# Altium PCB Sheet1.PcbDoc (continued)
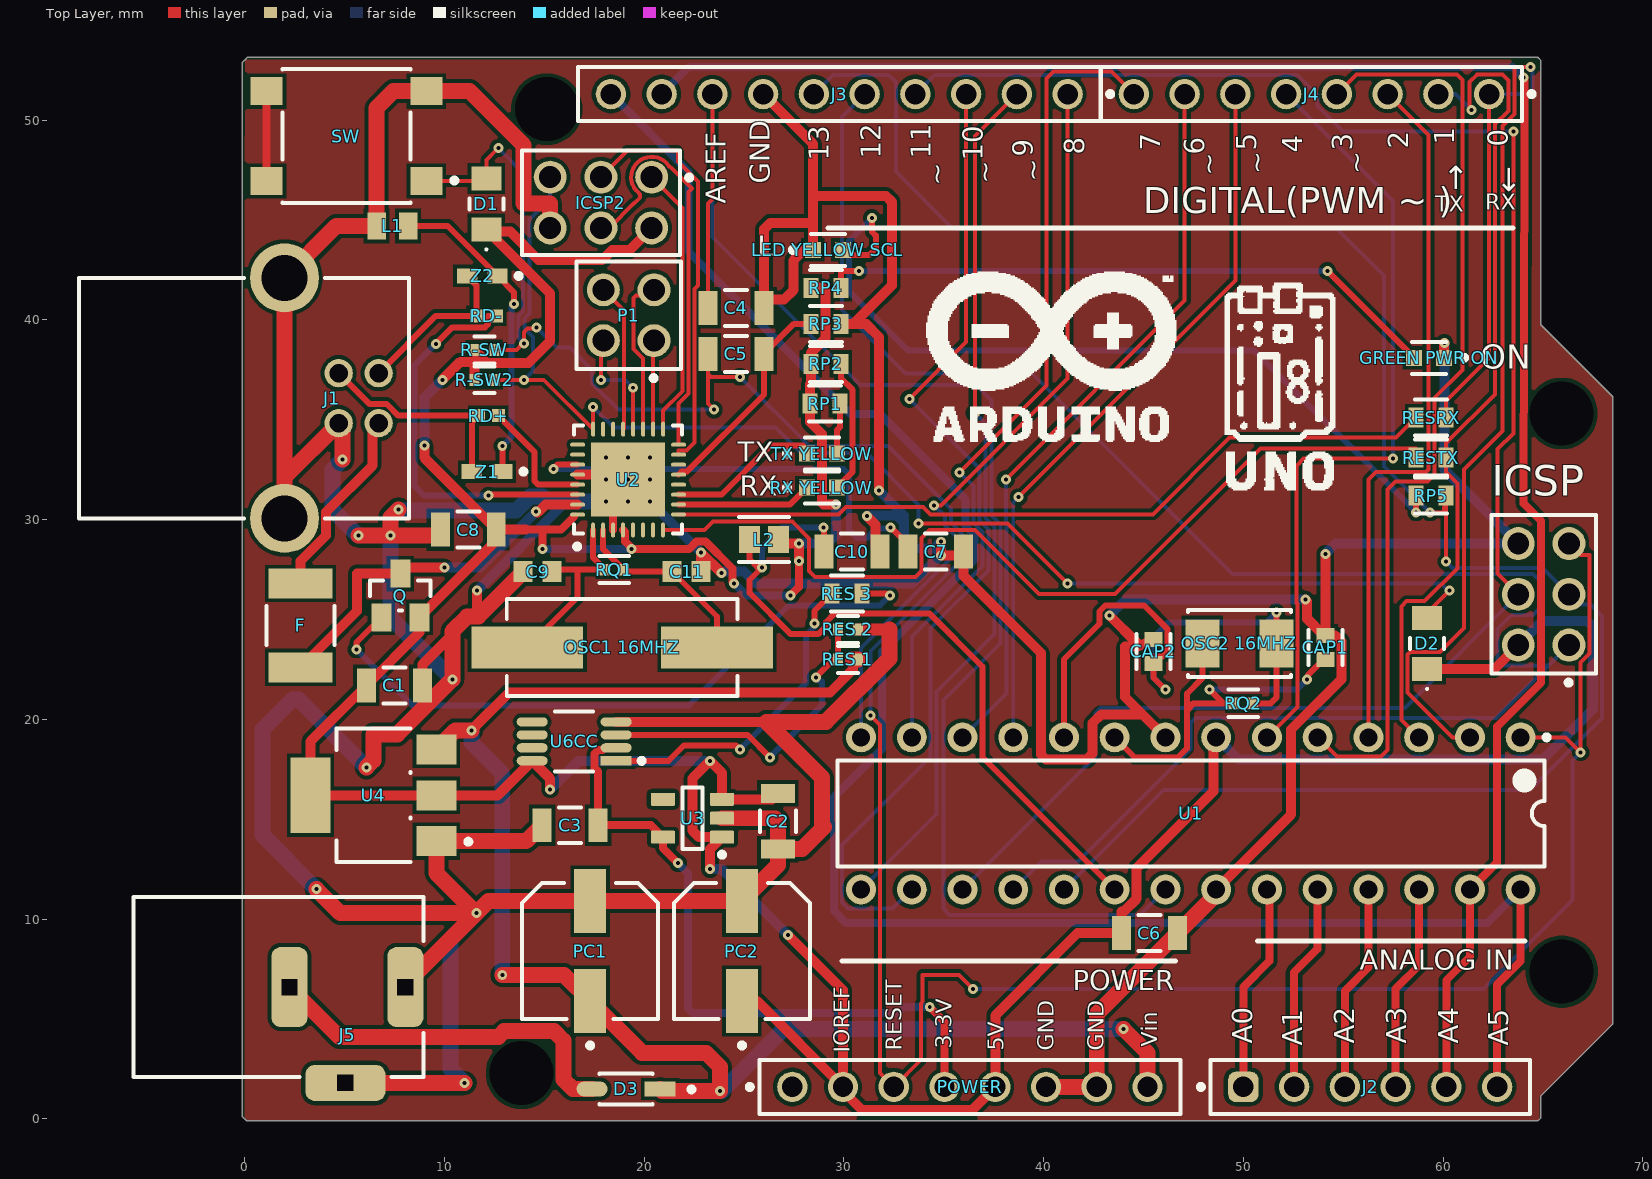
[diagram p0: Top Layer view]
## Part data
C1 C2 C3 C4 C5 C6 C7 C8 C10: library part CMP-1037-04222-2, "CAP CER 0.1UF 200V 10% X7R 1206", Capacitance="0.10 μF", Manufacturer=KEMET, Package=C1206C-EB, Temperature="-55°C to +150°C", Temperature Characteristic=X7R, Temperature Coefficient=15%, Temperature Range High=+150°C, Temperature Range Low=-55°C, Tolerance=0.1, Voltage Rating="200 V", Automotive=Yes, Automotive Grade="Grade 0", Category=Cap, ComponentLink2Description=Datasheet, ComponentLink2URL=https://content.kemet.com/datasheets/KEM_C1007_X8R_ULTRA_150C_SMD.pdf, Device Class L1="Passive Components", Device Class L2=Capacitors, Device Class L3="Ceramic Capacitors", Digikey Description="CAP CER 0.1UF 200V 10% X7R 1206", Height=0.88mm, Ipc Land Pattern Name=CAPC320160X78, Lead Free=Yes, Manufacturer Part Number=C1206C104K2RACTU, Material=Ceramic, Mouser Description="Multilayer Ceramic Capacitors MLCC - SMD/SMT 200volts 0.1uF X7R 10%", Octopart=https://octopart.com/c1206c104k2ractu-kemet-9138344, RoHS=TRUE
C9 C11: library part CMP-2000-04945-1, "Chip Capacitor, 22 pF, +/- 5%, 50 V, -55 to 125 degC, 0603 (1608 Metric), RoHS, Tape and Reel", Capacitance=22pF, Case Size/Dimension=0603, Dielectric=C0G, Manufacturer=Murata, Package Description="2-Pin Surface Mount Device, Body 1.6 x 0.8 mm", Package Reference=603, Rated Voltage=50V, Tolerance (%)=±5%, Datasheet URL=https://datasheet.ciiva.com/11786/0900766b807a1cab-11786398.pdf, Datasheet Version=Jul-06, Manufacturer URL=http://www.murata.com/
CAP1 CAP2: library part CMP-2006-03703-3, "Ceramic Capacitor 12Pf 50V, C0G, 5%, 0603, Full Reel", Capacitance="12 pF", Manufacturer=KEMET, Package=C0603C-CF, Temperature="-55°C to +125°C", Temperature Characteristic=C0G, Temperature Coefficient=30ppm/°C, Temperature Range High=+125°C, Temperature Range Low=-55°C, Tolerance=0.05, Voltage Rating="50 V", Automotive=Yes, Automotive Grade="Grade 1", Category=Cap, ComponentLink2Description=Datasheet, ComponentLink2URL=https://api.kemet.com/component-edge/download/datasheet/C0603C100J5GACAUTO.pdf, Device Class L1="Passive Components", Device Class L2=Capacitors, Device Class L3="Ceramic Capacitors", Digikey Description="Ceramic Capacitor 12Pf 50V, C0G, 5%, 0603, Full Reel", Height=0.87mm, Lead Free=Yes, Manufacturer Part Number=C0603C120J5GACTU, Material=Ceramic, Mouser Description="Ceramic Capacitor 12Pf 50V, C0G, 5%, 0603, Full Reel", Octopart=https://octopart.com/c0603c120j5gactu-kemet-108780, RoHS=TRUE
D1 D2: library part CMP-0583-00001-2, "75 V Small Signal Switching Diode, 150 mA, 2.5 uA, 1026 Molded Package, RoHS, Tape and Reel", Average Forward Current="150 mA", Capacitance Between Terminals (Max.)="3 pF", Forward Voltage (Max.)="1.00 V", Manufacturer=Bourns, Reverse Current (Max.)="2.5 uA", Reverse Voltage="75 V", ComponentLink1Description="Manufacturer URL", ComponentLink1URL=http://www.bourns.com/, ComponentLink2Description=Datasheet, ComponentLink2URL=http://www.bourns.com/data/global/pdfs/CD1206_S01575.pdf, ComponentLink3Description="Package Specification", ComponentLink3URL=http://www.bourns.com/data/global/pdfs/CD1206_S01575.pdf, DatasheetVersion="Rev. 06/11", Mounting Technology="Surface Mount", PackageDescription="2-Pin SMD, Body 3.2 x 1.5 mm", PackageReference=CD1206-S01575-2, Packing="Tape and Reel", PartNumber=CD1206-S01575, Reverse Recovery Time (Max.)="4 nS", RoHS=TRUE
D3: library part CMP-0303-00003-3, "DIODE SCHOTTKY 40V 1A SOD123", Average Rectified Current=1A, Capacitance=110pF, Case/Package=SOD-123-2, Forward Voltage=450mV, Max Forward Surge Current (Ifsm)=25A, Max Operating Temperature=125°C, Max Power Dissipation=450mW, Max Repetitive Reverse Voltage (Vrrm)=40V, Min Operating Temperature=-65°C, Package Quantity=3000, Peak Reverse Current=50uA, Contact Plating=Tin, Current Rating=1A, Element Configuration=Single, Forward Current=1A, Height=1.25mm, Lead Free="Lead Free", Length=2.85mm, Max Reverse Voltage (DC)=40V, Number of Pins=2, Output Current=1A, Packaging="Tape and Reel", Peak Non-Repetitive Surge Current=25A, Polarity=Standard, Radiation Hardening=No, REACH SVHC="No SVHC", Termination=SMD/SMT, Voltage Rating (DC)=40V, Weight=0.000353oz, Width=1.7mm
F: library part CMP-2100-03653-2, "PTC RESET FUSE 15V 500MA 1812", Ambient Temperature Range High=+85°C, Ambient Temperature Range Low=-40°C, Current Rating=100A, Hold Current=0.5A, Manufacturer=Bourns, Package=1812, Resistance=0.15-1Ω, Temperature="-40°C to +85°C", Trip Current=1A, Voltage Rating=15V, Automotive=Yes, Automotive Grade="Grade 3", Category=Fuse, ComponentLink2Description=Datasheet, ComponentLink2URL=http://www.bourns.com/docs/Product-Datasheets/mfmsmf.pdf, Device Class L1="Circuit Protection", Device Class L2="PTC Resettable Fuses", Device Class L3=unset, Digikey Description="PTC RESET FUSE 15V 500MA 1812", Height=0.85mm, Lead Free=Yes, Manufacturer Part Number=MF-MSMF050-2, Mouser Description="PTC Resettable Fuse 0.5A(hold) 1A(trip) 15V 100A 0.8W 0.15s 0.15Ohm SMD Solder Pad 1812 T/R", Octopart=https://octopart.com/mf-msmf050-2-bourns-28047, RoHS=TRUE, Temperature Range High=+85°C, Temperature Range Low=-40°C, Trip Time=0.15s
"GREEN PWR ON" "LED YELLOW SCL" "RX YELLOW" "TX YELLOW": library part CMP-22017-000008-1, "LED BLUE CLEAR CHIP SMD", Case Code (Imperial)=0603, Case Code (Metric)=1608, Color=Blue, Forward Current=20mA, Forward Voltage=3.8V, Lens Color=Colorless, Max Operating Temperature=80°C, Max Power Dissipation=75mW, Min Operating Temperature=-20°C, Package Quantity=1, Power Dissipation=76mW, Reverse Voltage=5V, Case/Package=0603, Depth=1.6mm, Dominant Wavelength=475nm, Height=0.55mm, Illumination Color=Blue, Lead Free="Lead Free", Length=0.8mm, Lens Style=Diffused, Lens Transparency=Clear, Luminous Intensity=180mcd, Mount="Surface Mount", Number of Elements=1, Number of LEDs=1, Number of Pins=2, Packaging="Tape and Reel", Radiation Hardening=No, Test Current=20mA, Viewing Angle=130°, Wavelength=468nm, Width=0.8mm
ICSP ICSP2: library part CMP-1502-01072-3, Color=Black, Contact Resistance=20mΩ, Current Rating=3A, Max Operating Temperature=105°C, Min Operating Temperature=-40°C, Operating Supply Voltage=250V, Connector Type="Male Pin", Contact Material=Copper, Contact Mating Length=5.9944mm, Contact Plating=Gold, Gender=Male, Height=8.89mm, Lead Pitch=2.54mm, Mount="Through Hole", NexarPartId=32855529, Number of Contacts=6, Number of Pins=6, Number of Positions=6, Number of Rows=2, Orientation=Vertical, Packaging=Bulk, Pitch=2.54mm, REACH SVHC=Unknown, RoHS=Compliant, Row Spacing=2.54mm, Termination=Solder, Voltage Rating=250V
J1: library part CMP-1502-03243-3, Color=White, Contact Resistance=20mΩ, Current Rating=1.5A, Flammability Rating="UL94 V-0", Insulation Resistance=1GΩ, Max Operating Temperature=105°C, Min Operating Temperature=-40°C, Operating Supply Voltage=30V, Connector Type=USB, Contact Material=Gold, Contact Plating=Gold, Gender=Receptacle, Height=11.25mm, Insulation Material=PBT, Length=14.7mm, Mount="Horizontal, PCB, Through Hole", NexarPartId=21041529, Number of Contacts=4, Number of Pins=4, Number of Ports=1, Number of Positions=4, Orientation=Horizontal, REACH SVHC=Unknown, RoHS=Compliant, Termination=Solder, USB Standard="USB 2.0", Voltage Rating=30V, Voltage Rating (DC)=30V, Width=16.2mm
J2: library part CMP-1502-01322-3, Contact Resistance=20mΩ, Current Rating=3A, Operating Supply Voltage=250V, Gender=Female, Lead Pitch=2.54mm, NexarPartId=21642411, Number of Pins=6, Orientation=Vertical, RoHS=Compliant
J3: library part CMP-1502-01332-3, Color=Black, Contact Resistance=20mΩ, Current Rating=3A, Flammability Rating="UL94 V-0", Insulation Resistance=1GΩ, Max Operating Temperature=125°C, Min Operating Temperature=-40°C, Operating Supply Voltage=250V, Connector Type="Header, Socket", Contact Gender=Female, Contact Material=Copper, Contact Plating=Gold, Gender=Female, Height=8.5mm, Housing Material=PBT, Insulation=Insulated, Lead Free="Lead Free", Lead Pitch=2.54mm, Length=25.9mm, Mount="Through Hole", NexarPartId=18818160, Number of Contacts=10, Number of Pins=10, Number of Positions=10, Number of Rows=1, Orientation=Vertical, Pitch=2.54mm, REACH SVHC=Unknown, RoHS=Compliant, Termination="Through Hole", Voltage Rating=250V, Width=25.9mm
J4 POWER: library part CMP-1502-01327-3, Contact Resistance=20mΩ, Current Rating=3A, Operating Supply Voltage=250V, Gender=Female, Lead Pitch=2.54mm, NexarPartId=61924723, Number of Pins=8, Orientation=Vertical, RoHS=Non-Compliant
J5: library part CMP-1502-00188-2, Color=Black, Current Rating=5A, Flammability Rating="UL94 V-0", Insulation Resistance=100MΩ, Max Operating Temperature=85°C, Min Operating Temperature=-40°C, Operating Supply Voltage=24V, Voltage Rating (DC)=20V, Connector Type=Power, Contact Gender=Female, Contact Material="Gold, Tin", Contact Plating=Tin, Gender=Male, Height=11mm, Housing Material=Polyamide, Mount="Through Hole", NexarPartId=52676100, Number of Contacts=3, Packaging=Bulk, REACH SVHC=Unknown, RoHS=Compliant, Shielding=Unshielded, Termination="Through Hole", Voltage Rating=24V
L1: library part CMP-2000-05954-1, "Chip Bead, 1000 Ohm, +/- 25%, 200 mA, -55 to 85 degC, 2-Pin SMD, RoHS, Tape and Reel", Case Height=0.85mm, Case Length=2mm, Case Width=1.25mm, Manufacturer=Murata, Maximum DC Current=200mA, Maximum DC Resistance=450mOhms, Operating Temperature Range=-55Cto+125C, Package / Case=0805(2012metric), Package Description="2-Pin Surface Mount Device, Body 2 x1.25 mm", Package Reference=0805, Test Frequency=100MHz, Tolerance=25%, Brand=MurataElectronics, Datasheet URL=http://datasheet.octopart.com/BLM21AH102SN1D-Murata-datasheet-629859.pdf, Datasheet Version=11/2017, Dimensions=1.25mmWx2mmLx0.85mmH, Factory Pack Quantity=4000, Impedance=1kOhms, Manufacturer URL=http://www.murata.com/, Mounting Technology=SurfaceMount, Packaging=Reel, Product=FerriteChipBeads, Product Category=EMIFilterBeads,Chips&Arrays, RoHS=Details, Series=BLM21A, Termination Style=SMD/SMT
L2: library part CMP-14484-001064-1, "SMD Inductors 10uH ±10% 0.12A 0.65Ω 0805", Case Code (Imperial)=0805, Case Code (Metric)=2012, Current Rating=120mA, DC Resistance (DCR)=500mR, Inductance=10uH, Inductance Tolerance=10%, Max Operating Temperature=105°C, Min Operating Temperature=-40°C, Package Quantity=3000, Resistor Type=Wirewound, Self Resonant Frequency=32MHz, Test Frequency=2.52MHz, Case/Package=0805, Core Material=Ferrite, DC Current=120mA, Depth=1.45mm, Halogen Free="Halogen Free", Height=1.25mm, Height - Seated (Max)=0.057inch, Lead Free="Lead Free", Length=0.079inch, Max DC Current=120mA, Military Standard=Not, Mount="Surface Mount", Number of Pins=2, Packaging="Tape and Reel", Radiation Hardening=No, RoHS Compliant=Yes, Series=LB, Shielding=Unshielded, Termination=SMD/SMT, Tolerance=10%, Width=1.25mm
"OSC1 16MHZ": library part CMP-27762-000003-1, "CRYSTAL 16.0000MHZ 18PF SMD", Frequency=16MHz, Load Capacitance=18pF, Manufacturer=Abracon, Package=ABLS, Temperature="-40°C to +125°C", Temperature Range High=+125°C, Temperature Range Low=-40°C, Tolerance=30ppm, Automotive=No, Category=Crys, ComponentLink2Description=Datasheet, ComponentLink2URL=https://abracon.com/Resonators/abls.pdf, Device Class L1="Passive Components", Device Class L2="Crystals / Oscillators", Device Class L3=Crystals, Digikey Description="CRYSTAL 16.0000MHZ 18PF SMD", Esr=40Ω, Height=4.3mm, Lead Free=Yes, Manufacturer Part Number=ABLS-16.000MHZ-K4T, Mouser Description="Crystal 16MHz ±30ppm (Tol) ±50ppm (Stability) 18pF FUND 40Ohm 2-Pin HC-49/US SMD T/R", Octopart=https://octopart.com/abls-16.000mhz-k4t-abracon-18618626, RoHS=TRUE, Series=ABLS, Stability=50ppm, Standoff Height=0mm
"OSC2 16MHZ": library part CMP-18717-000387-1, "Quartz Crystal 16MHz, 30ppm, 12pF, 50Ω", Case/Package=SMD/SMT, ESR (Equivalent Series Resistance)=50R, Frequency=16MHz, Frequency Stability=30ppm, Load Capacitance=12pF, Max Operating Temperature=85°C, Min Operating Temperature=-40°C, Package Quantity=1000, Frequency Tolerance=30ppm, Height=0.053inch, Lead Free="Contains Lead", Length=0.197inch, Mount="Surface Mount", Number of Pins=2, Packaging="Tape and Reel", Series=7A, Termination=SMD/SMT, Tolerance=30ppm, Width=3.2mm
P1: library part CMP-1502-01066-4, Color=Black, Contact Resistance=20mΩ, Current Rating=3A, Max Operating Temperature=105°C, Min Operating Temperature=-40°C, Operating Supply Voltage=250V, Connector Type="Male Pin", Contact Material=Copper, Contact Mating Length=5.9944mm, Contact Plating=Gold, Gender=Male, Height=8.89mm, Lead Free="Lead Free", Lead Pitch=2.54mm, Mount="Through Hole", NexarPartId=32855524, Number of Contacts=4, Number of Pins=4, Number of Positions=4, Number of Rows=2, Orientation=Vertical, Packaging=Bulk, Pitch=2.54mm, REACH SVHC=Unknown, RoHS=Compliant, Row Spacing=2.54mm, Termination=Solder, Voltage Rating=250V
PC1 PC2: library part CMP-05427-000093-1, "CAP ALUM 47UF 20% 25V SMD", Capacitance=47uF, Case/Package=Radial, Dielectric Material=Aluminium, ESR (Equivalent Series Resistance)=360mR, Leakage Current=3uA, Max Operating Temperature=105°C, Min Operating Temperature=-55°C, Package Quantity=1000, Ripple Current=240mA, Tolerance=20%, Voltage=25V, Construction=Cylindrical, Contact Plating=Tin, Diameter=6.3mm, Height=5.8mm, Height - Seated (Max)=0.24inch, Impedance=360mR, Lead Free="Lead Free", Length=5.8mm, Life (Hours)=2000Hour, Mount="Surface Mount", Number of Pins=2, Packaging="Tape and Reel", Polarity=Polar, Radiation Hardening=No, REACH SVHC="No SVHC", Ripple Current (AC)=240mA, RoHS Compliant=Yes, Series=FK, Termination=SMD/SMT, Voltage Rating=25V, Voltage Rating (DC)=25V, Width=7.8mm
Q: library part CMP-2100-03638-2, "MOSFET P-CH 20V 2A SSOT3", Case/Package=SOT-23, Continuous Drain Current (ID)=2A, Current Rating=-2A, Drain to Source Breakdown Voltage=-20V, Drain to Source Resistance=60mR, Drain to Source Voltage (Vdss)=20V, Gate to Source Voltage (Vgs)=8V, Input Capacitance=779pF, Max Operating Temperature=150°C, Max Power Dissipation=500mW, Min Operating Temperature=-55°C, On-State Resistance=70MR, Package Quantity=1, Threshold Voltage=-800mV, Contact Plating=Tin, Dual Supply Voltage=-20V, Element Configuration=Single, Fall Time=11ns, Height=0.94mm, Lead Free="Lead Free", Length=2.92mm, Mount="Surface Mount", Nominal Vgs=-800mV, Number of Elements=1, Number of Pins=3, Packaging="Tape and Reel", Power Dissipation=500mW, Radiation Hardening=No, Rds On Max=70mR, REACH SVHC="No SVHC", Rise Time=9ns, Termination=SMD/SMT, Turn-Off Delay Time=27ns, Turn-On Delay Time=10ns, Voltage Rating (DC)=-20V, Weight=0.03g, Width=3.05mm
R-SW R-SW2 "RES 1" "RES 2": library part CMP-2002-01790-3, "RES 10kΩ ±1% 0.063W 0402", Case Code (Imperial)=0402, Case Code (Metric)=1005, Max Operating Temperature=155°C, Max Power Dissipation=63mW, Min Operating Temperature=-55°C, Power Rating=62.5mW, Resistance=10kR, Resistor Type="Thick Film", Temperature Coefficient=100ppm/°C, Tolerance=1%, Voltage Rating=50V, Case/Package=0402, Construction=Rectangular, Depth=0.5mm, Features="Moisture Resistant", Height=0.015inch, Lead Free="Lead Free", Length=0.039inch, Military Standard=Not, Number of Terminations=2, Packaging="Tape and Reel", RoHS Compliant=Yes, Series=AC, Size Code=0402, Termination=SMD/SMT, Width=0.02inch
RD+ RD-: library part CMP-2002-01135-4, "Chip Resistor, 22 Ohm, +/- 1%, 0.1 W, -55 to 155 degC, 0402 (1005 Metric), RoHS, Tape and Reel", Case Code (Imperial)=0402, Case Code (Metric)=1005, Max Operating Temperature="155 degC", Min Operating Temperature="-55 degC", Package Quantity=10000, Power Rating="100 mW", Resistance="22 Ohm", Tolerance=1%, Voltage Rating="50 V", Case\/Package=0402, ComponentLink1Description="Manufacturer URL", ComponentLink1URL=http://www.panasonic.com/, ComponentLink2Description=Datasheet, ComponentLink2URL=http://industrial.panasonic.com/cdbs/www-data/pdf/RDA0000/AOA0000C86.pdf, DatasheetVersion=04/2015, Height="0.35 mm", Length="1 mm", Mount="Surface Mount", Mounting Technology="Surface Mount", PackageDescription="2-Pin Surface Mount Device, Body 1 x 0.5 mm", PackageReference=0402, Packaging="Tape and Reel", PartNumber=ERJ-2RKF22R0X, Pins=2, REACH SVHC=Yes, RoHSCompliant=true, Weight=2.8E-05oz, Width="0.5 mm"
"RES 3" RESRX RESTX RP1 RP2 RP3 RP4 RP5: library part CMP-1666-00003-5, "RES Thick Film, 1kΩ, 1%, 0.1W, 100ppm/°C, 0603", Case Code (Imperial)=0603, Case Code (Metric)=1608, Max Operating Temperature=155°C, Max Power Dissipation=100mW, Min Operating Temperature=-55°C, Package Quantity=10, Resistance=1kR, Temperature Coefficient=100ppm/°C, Tolerance=1%, Voltage Rating=75V, Case/Package=0603, Composition="Thick Film", Contact Plating=Tin, Depth=0.85mm, Features="Automotive AEC-Q200", Height=0.45mm, Lead Free="Lead Free", Length=1.55mm, Military Standard=Not, Mount="Surface Mount", Number of Pins=2, Number of Terminations=2, Packaging="Tape and Reel", Power Rating=100mW, Radiation Hardening=No, Termination=SMD/SMT, Voltage Rating (DC)=75V, Weight=7.1E-05oz, Width=0.033inch
RQ1 RQ2: library part CMP-08839-019445-1, "Thick Film Chip Resistor, 0402, 1MΩ, 1%, 100ppm/°C, 0.063W, 50V", Case Code (Imperial)=0402, Case Code (Metric)=1005, Max Operating Temperature=155°C, Max Power Dissipation=63mW, Min Operating Temperature=-55°C, Package Quantity=1, Resistance=1MR, Resistor Type="Thick Film", Temperature Coefficient=100ppm/°C, Tolerance=1%, Voltage Rating (DC)=50V, Case/Package=0402, Height=0.016inch, Lead Free="Lead Free", Length=0.039inch, Number of Terminations=2, Packaging="Tape and Reel", RoHS Compliant=Yes, Series=MCR, Width=0.02inch
SW: library part CMP-08834-000003-2, "SWITCH TACTILE SPST-NO 0.05A 24V", Actuator Color=Black, Case/Package=SMD/SMT, Contact Current Rating=50mA, Contact Resistance=100mR, Max Operating Temperature=70°C, Max Voltage Rating (DC)=24V, Min Operating Temperature=-25°C, Operating Force=0.98N, Package Quantity=1, Ratings=IP00, Actuator Length=0.5mm, Actuator Type=Standard, Contact Material=Silver, Contact Plating=Silver, Current Rating=50mA, Depth=8mm, Electrical Life=1000000Cycles, Illumination Type=Non-Illuminated, Lead Free="Lead Free", Length=6.3mm, Material=Plastic, Max Current Rating=50mA, Mechanical Life=1000000Cycles, Mount="Surface Mount", Number of Poles=1, Orientation=Straight, Packaging="Tape and Reel", Series=B3FS, Switch Function=Off-Mom, Switch Travel=0.25mm, Termination="Gull Wing", Throw Configuration=SPST, Voltage Rating (DC)=24V, Weight=0.2g
U1: library part CMP-0095-00013-2, "8-bit AVR Microcontroller, 32KB Flash, 1KB EEPROM, 2KB SRAM, 28-pin PDIP, Industrial Grade (-40°C to 85°C)", ComponentLink1Description="Manufacturer URL", ComponentLink1URL=http://www.atmel.com/, ComponentLink2Description="ATmega48A/48PA/88A/88PA/168A/168PA/328/328P Datasheet", ComponentLink2URL=http://www.atmel.com/dyn/resources/prod_documents/8271.pdf, ComponentLink3Description="ATmega48A/48PA/88A/88PA/168A/168PA/328/328P Summary", ComponentLink3URL=http://www.atmel.com/dyn/resources/prod_documents/8271S.pdf, DatasheetVersion="revD, May-2011", PackageDescription="28-lead (0.300\"/7.62mm Wide) Plastic Dual Inline Package (PDIP)", PackageReference=28P3, PackageVersion="revB, Sep-2001", RevisionNote="DatasheetVersion updated. URLs added."
U2: library part CMP-0095-00115-3, "8-bit AVR Microcontroller, 2.7-5.5V, 16KB Flash, 512 Bytes EEPROM, 512 Bytes SRAM, 32-pin VQFN, Industrial Grade (-40°C to 85°C)", Code_JEDEC=MO-220WHHD-2, ComponentLink1Description="Manufacturer URL", ComponentLink1URL=http://www.atmel.com/, ComponentLink2Description="ATmega8U2/16U2/32U2 Datasheet", ComponentLink2URL=http://www.atmel.com/dyn/resources/prod_documents/doc7799.pdf, ComponentLink3Description="ATmega8U2/16U2/32U2 Summary", ComponentLink3URL=http://www.atmel.com/dyn/resources/prod_documents/7799S.pdf, DatasheetVersion="revD, Nov-2010", PackageDescription="32-Pin Quad Flat No-Lead (QFN) Sawn,  5 x 5 x 1.0 mm Body, Pitch 0.50 mm, 3.60mm Exposed Pad", PackageReference=32PG, PackageVersion="revA, Oct-2008", PartNumber=ATmega16U2-MU, RevisionNote="Schematic symbol corrected"
U3: library part CMP-0758-00080-2, "Single Output Low Noise LDO, 150 mA, Fixed 3.3 V Output, 1.5% Tolerance, 2.2 to 16 V Input, Low IQ, 5-Pin SOT-23 (DBV), -40 to 125 degC, Green (RoHS & no Sb/Br), Tape and Reel", Manufacturer="Texas Instruments", Operating Temperature Range (degC)="-40 to 125", Accuracy (%)=1.5, ComponentLink1Description="Manufacturer URL", ComponentLink1URL=http://www.ti.com/, ComponentLink2Description=Datasheet, ComponentLink2URL=http://www.ti.com/lit/ds/symlink/lp2985-50.pdf, ComponentLink3Description="Package Specification", ComponentLink3URL=http://www.ti.com/litv/pdf/mpds018j, DatasheetVersion=SLVS522N, Fixed Output Options (V)=3.3, Iout (Max) (A)=0.15, Iq (Typ) (mA)=0.85, Mounting Technology="Surface Mount", Output Options="Fixed Output", PackageDescription="5-Pin Plastic Small Outline, Body 2.9 x 1.6 mm, Pitch 0.95 mm", PackageReference=DBV0005A, PackageVersion=4073253-4/L, Packing="Tape and Reel", PartNumber=LP2985-33DBVR, RoHS=TRUE, Vdo (Typ) (mV)=280, Vin (V)="2.2 to 16"
U4: library part CMP-0592-00001-4, "IC REG LINEAR 5V 1A SOT223", Case/Package=SOT-223, Dropout Voltage=1.2V, Input Bias Current=6mA, Max Input Voltage=20V, Max Operating Temperature=125°C, Max Output Current=1A, Min Input Voltage=3.5V, Min Operating Temperature=0°C, Nominal Output Voltage=5V, Output Voltage Accuracy=1%, Package Quantity=1, Power Rating=781mW, Quiescent Current=10mA, Accuracy=1%, Contact Plating=Tin, Halogen Free="Halogen Free", Height=1.69mm, Lead Free="Lead Free", Length=6.7mm, Min Current Limit=1A, Number of Outputs=1, Number of Pins=4, Number of Regulators=1, Output Current=1A, Output Type=Fixed, Output Voltage=5V, Packaging="Tape and Reel", Polarity=Positive, Radiation Hardening=No, REACH SVHC="No SVHC", RoHS Compliant=Yes, Tolerance=1%, Width=3.7mm
U6CC: library part CMP-2100-03651-2, "IC OPAMP GP 2 CIRCUIT 8VSSOP", Case/Package=MSOP, Input Bias Current=250nA, Input Offset Voltage (Vos)=7mV, Max Operating Temperature=125°C, Max Supply Voltage=5.5V, Min Operating Temperature=-40°C, Min Supply Voltage=2.7V, Nominal Supply Current=440uA, Operating Supply Current=210uA, Output Current=160mA, Package Quantity=1, Power Supply Rejection Ratio (PSRR)=50dB, Voltage Gain=100dB, Bandwidth=1MHz, Common Mode Rejection Ratio=50dB, Contact Plating=Gold, Gain Bandwidth Product=1MHz, Height=0.97mm, Lead Free="Lead Free", Length=3mm, Mount="Surface Mount", Number of Amplifiers=2, Number of Channels=2, Number of Circuits=2, Number of Elements=2, Number of Pins=8, Output Current per Channel=160mA, Packaging="Tape and Reel", Radiation Hardening=No, REACH SVHC="No SVHC", Slew Rate=1V/µs, Unity Gain Bandwidth Product=1MHz, Width=3mm
Z1 Z2: library part CMP-0584-00001-2, "ESD Protector, 5 V Supply, -40 to 85 degC, 1.6 x 0.8 x 0.55 mm SMD, RoHS, Tape and Reel", Manufacturer=Bourns, Operating Temperature="-40 to 85 degC", CO="0.5 pF", ComponentLink1Description="Manufacturer URL", ComponentLink1URL=http://www.bourns.com/, ComponentLink2Description=Datasheet, ComponentLink2URL=http://www.bourns.com/data/global/pdfs/MLC.pdf, DatasheetVersion="Rev. S", Mounting Technology="Surface Mount", PackageDescription="2-Pin SMD, Body 1.6 x 0.8 mm, Pitch 1.52 mm", PackageReference=CG0603-2, Packing="Tape and Reel", PartNumber=CG0603MLC-05E, RoHS=TRUE, RT="1 ns", VC="20 V", VDC="5 V", VT="150 V"

## Free pads (board coordinates)
  round 1.524 hole 3.2: 16(13.865,2.289) 17(65.935,7.369) 18(65.935,35.309) 19(15.135,50.549)

## Via types
v1: diameter 0.5, hole 0.2, Top Layer to Bottom Layer, 100 vias

## Nets (pads, with @x,y where several pads share a name; then routed paths per layer and width w, separated by ;. In a path a pad name is that pad's centre, name@x,y a point inside that pad or via, vN(x,y) a via of type N, cw(c..) or ccw(c..) an arc to the next point about the centre after c; other vN are vias at no path point)
9: "OSC2 16MHZ.1" CAP1.1 RQ2.2 U1.9 | length 19.9
  Top Layer w0.3: U1.9 44.57,18.09 46.721,18.09 47.178,18.547 47.178,20.419 ; 47.95,23.8 47.95,22.062 47.178,21.291 47.178,20.419 ; v1(48.3,21.5) 49,20.8 ; RQ2.2 49,20.8 ; v1(53.191,22) 53.229,22.038 53.229,22.204 54.025,23 CAP1.1 ; 47.178,20.419 47.483,20.8 49,20.8
  Bottom Layer w0.3: v1(48.3,21.5) 48.313,21.487 52.678,21.487 v1(53.191,22)
10: "OSC2 16MHZ.2" CAP2.1 RQ2.1 U1.10 | length 30
  Top Layer w0.3: U1.10 41.02,23.006 42.8,24.786 42.8,25.407 43.093,25.7 45.032,25.7 46.213,24.518 46.213,23.399 45.959,23.145 45.5,23.145 CAP2.1 45.5,22.087 v1(46.1,21.487) ; RQ2.1 51.363,20.8 51.65,21.087 51.65,23.8 v1(51.65,25.35)
  Bottom Layer w0.3: v1(46.1,21.487) 45.481,22.106 45.481,24.093 46.235,24.847 51.146,24.847 v1(51.65,25.35)
+3V3: C3.1 POWER.4 U3.5 U6CC.2 | length 34.1
  Top Layer w0.4: U6CC.2 18.036,18.575 17.915,18.454 17.698,18.454 17.523,18.278 17.523,17.572 17.7,17.394 C3.1 20.35,14.7 U3.5 20.95,13.55 v1(21.7,12.8) ; v1(34.3,5.6) 35.04,4.86 POWER.4
  Bottom Layer w0.4: v1(21.7,12.8) 22.2,12.3 22.2,5.534 22.434,5.3 32.7,5.3 33,5.6 v1(34.3,5.6)
+5: C1.1 C2.1 C6.1 C8.1 D1.2 D2.2 ICSP2.2 ICSP.2 L2.1 PC2.1 POWER.2 POWER.5 Q.2 R-SW2.2 R-SW.2 RP1.2 RP2.2 RP4.2 U1.7 U2.4 U2.32 U3.1 U3.3 U4.2 U4.4 U6CC.8 | length 213
  Top Layer w0.4: 14.062,29.5 14.956,29.5 ; v1(14.925,28.52) 14.925,29.469 14.956,29.5 ; U2.32@16.5,30.15 15.85,29.5 14.956,29.5 ; U2.4 19.05,29.375 19.05,28.913 19.36,28.603 19.36,28.539 v1(19.379,28.52) 22.242,28.52 22.622,28.9 23.078,28.9 24.414,27.564 24.414,26.886 v1(24.5,26.8) ; v1(27.341,26.2) 27.341,26.227 27.75,26.636 v1(27.75,27.925) ; 30.861,0.5 36.48,0.5
  Top Layer w0.5: v1(9,33.7) 9,33.1 C8.1 ; v1(9.9,37) 10.8,37.9 11.5,37.9 ; R-SW2.2 11.5,37.9 ; R-SW.2 11.5,38.455 R-SW.2@11.5,38.45 ; 14.062,29.5 C8.1 ; v1(15.3,16.5) 15.3,17.024 U6CC.8 12.674,16.2 U4.2 U4.4 3.3,18.9 C1.1 8.75,24.35 Q.2 12.6,28.95 C8.1 ; ICSP2.2 19.28,43.5 18.402,43.5 17.902,43 14.717,43 13.307,44.41 12.216,44.41 D1.2 15.3,41.325 15.3,38.943 14.207,37.85 12.105,37.85 11.9,38.055 11.9,38.1 11.55,38.45 R-SW.2@11.5,38.45 ; v1(23.3,12.5) 23.3,13.5 U3.1 22.75,14.1 22.425,14.425 22.425,17.05 v1(23.3,17.925) 23.9,17.325 U3.3 26.4,16 C2.1 ; PC2.1 25.66,5.9 POWER.2 ; L2.1 26.926,28.8 v1(27.75,28.8) v1(27.75,27.925) ; v1(27.2,9.2) 29.96,6.44 POWER.2 ; RP4.2 28.35,41.611 28.941,41.611 29.094,41.458 29.094,39.096 28.35,38.352 RP2.2 28.35,36.809 28.3,36.759 RP1.2 28.3,34.88 28.9,34.28 28.9,30.841 28.992,30.749 v1(29.602,30.749) ; 30.861,0.5 29.96,1.401 POWER.2 ; 36.48,0.5 POWER.5 37.58,5.18 41.7,9.3 C6.1 43.9,10.38 44.016,10.38 44.66,11.024 44.66,12.56 48.5,16.4 48.5,18.96 U1.7 ; D2.2 62.565,22.525 ICSP.2 ; 11.5,37.9 R-SW.2@11.5,38.45
  Bottom Layer w0.4: v1(14.925,28.52) v1(19.379,28.52) ; v1(24.5,26.8) 24.527,26.8 25.127,26.2 v1(27.341,26.2)
  Bottom Layer w0.5: v1(9,33.7) 9,36.1 v1(9.9,37) ; v1(15.3,16.5) 16.725,17.925 v1(23.3,17.925) ; v1(23.3,12.5) 23.9,12.5 v1(27.2,9.2) ; v1(27.75,28.8) 29.186,28.8 29.602,29.215 v1(29.602,30.749) ; U1.7 49.751,17.989 64.984,17.989 67.498,20.503 67.498,24.643 67.219,24.923 64.963,24.923 ICSP.2
A0: J2.1 U1.23 | length 10.5
  Top Layer w0.4: J2.1 50,6.6 51.3,7.9 51.3,11.36 U1.23
A1: J2.2 U1.24 | length 10.4
  Top Layer w0.4: J2.2 52.54,7.34 53.7,8.5 53.7,11.46 U1.24
A2: J2.3 U1.25 | length 10.4
  Top Layer w0.4: J2.3 55.08,6.409 56.26,7.589 U1.25
A3: J2.4 U1.26 | length 10.4
  Top Layer w0.4: J2.4 57.62,6.509 58.8,7.689 U1.26
A4: J2.5 J3.9 U1.27 | length 96.8
  Top Layer w0.4: J2.5 60.16,6.939 61.34,8.119 U1.27 62.69,12.83 62.69,19.632 64.908,21.849 64.908,29.927 64.019,30.816 64.061,48.884 64.061,52.084 v1(64.019,52.126)
  Bottom Layer w0.4: J3.9 22.24,52.66 63.485,52.66 v1(64.019,52.126)
A5: J2.6 J3.10 U1.28 | length 97.9
  Top Layer w0.4: J2.6 62.7,6.728 63.88,7.908 U1.28
  Bottom Layer w0.4: J3.10 22.236,47.404 22.236,43.389 30.338,35.286 31.811,35.286 36.086,31.012 36.086,29.671 36.536,29.221 36.536,28.009 31.913,23.386 31.913,18.522 29.5,16.109 29.5,10.419 30.11,9.81 62.21,9.81 U1.28
AREF: C4.1 J3.8 U1.21 | length 73.9
  Top Layer w0.2: C4.1 23.2,45.827 23.42,46.047 J3.8
  Bottom Layer w0.2: J3.8 23.42,44.135 30.821,36.734 36.612,36.734 37.386,35.96 37.386,30.209 37.836,29.759 37.836,23.81 34.986,20.96 34.986,10.521 35.291,10.216 44.836,10.216 U1.21
D0/RX: J4.1 RESRX.2 U1.2 | length 59.7
  Top Layer w0.2: RESRX.2 60.15,35.946 62.3,38.096 J4.1 ; U1.2 60.469,19.1 58.227,21.341 58.227,23.246 58.354,23.373 59.853,23.373 61.047,24.567 61.047,32.517 62.972,34.443 62.972,49.708 63.569,50.305 63.569,52.616 63.612,52.66 v1(64.374,52.66)
  Bottom Layer w0.2: J4.1 64.208,51.3 64.476,51.567 64.476,52.558 v1(64.374,52.66)
D1/TX: J4.2 RESTX.2 U1.3 | length 42.1
  Top Layer w0.2: U1.3 57.923,19.977 57.923,25.659 58.177,25.913 59.076,25.913 60.725,27.562 60.725,31.798 60.15,32.373 RESTX.2 60.15,33.823 62.601,36.274 62.601,49.794 63.269,50.462 63.269,51.987 62.977,52.279 61.707,52.279 61.326,51.898 61.326,50.602 v1(61.428,50.501)
  Bottom Layer w0.2: J4.2 60.628,51.3 v1(61.428,50.501)
D2: J4.3 U1.4 | length 35.8
  Top Layer w0.2: U1.4 56.26,32.009 56.641,32.39 59.142,32.39 59.269,32.517 59.269,49.251 J4.3
D3: J4.4 U1.5 | length 46.9
  Top Layer w0.2: U1.5 54.679,18.141 56.881,18.141 57.211,18.471 57.211,31.501 57.618,31.908 59.218,31.908 59.574,32.263 59.574,36.099 60.971,37.496 60.971,51.999 60.691,52.279 55.659,52.279 J4.4
D4: J4.5 U1.6 | length 39.7
  Top Layer w0.2: U1.6 52.7,20.62 52.7,25.764 52.65,25.814 52.65,32.68 53.02,33.051 v1(57.491,33.051)
  Bottom Layer w0.2: J4.5 57.491,45.949 v1(57.491,33.051)
D5: J4.6 U1.11 | length 36.8
  Top Layer w0.2: v1(38.746,31.12) 49.6,41.975 J4.6
  Bottom Layer w0.2: U1.11 38.48,30.855 v1(38.746,31.12)
D6: J4.7 U1.12 | length 36.8
  Top Layer w0.2: v1(38.111,32.009) 47.06,40.959 J4.7
  Bottom Layer w0.2: U1.12 38.136,21.296 38.136,29.884 38.111,29.909 v1(38.111,32.009)
D7: J4.8 U1.13 | length 41.7
  Top Layer w0.2: v1(35.799,32.365) 40.143,36.708 40.143,52.075 40.498,52.431 43.389,52.431 J4.8
  Bottom Layer w0.2: U1.13 33.4,24.148 36.936,27.683 36.936,29.387 36.486,29.837 36.486,31.678 v1(35.799,32.365)
D8: J3.1 U1.14 | length 37.8
  Top Layer w0.2: v1(34.52,30.714) 34.852,30.714 41.2,37.062 J3.1
  Bottom Layer w0.2: U1.14 30.86,23.583 35.836,28.558 35.836,28.931 35.057,29.71 35.057,30.177 v1(34.52,30.714)
D9: J3.2 U1.15 | length 43.9
  Top Layer w0.2: v1(36.561,35.337) 36.561,49.201 J3.2
  Bottom Layer w0.2: U1.15 34.65,15.27 34.65,21.386 37.536,24.272 37.536,29.635 37.086,30.085 37.086,34.812 v1(36.561,35.337)
D10: J3.3 U1.16 | length 50.3
  Top Layer w0.2: v1(33.285,36.048) 36.12,38.883 J3.3
  Bottom Layer w0.2: v1(33.285,36.048) 36.786,32.547 36.786,29.961 37.236,29.511 37.236,27.454 34.35,24.568 34.35,18.141 29.91,13.701 29.91,10.822 30.211,10.521 32.441,10.521 U1.16
D11/MOSI: ICSP.4 J3.4 U1.17 | length 91
  Top Layer w0.2: v1(63.511,49.434) 63.511,34.313 62.723,33.526 62.723,27.297 ICSP.4
  Bottom Layer w0.2: J3.4 34.54,52.26 52.709,52.26 53.706,51.263 53.706,50.704 54.976,49.434 v1(63.511,49.434) ; U1.17 42.601,18.141 42.601,20.325 42.855,20.579 58.079,20.579 ICSP.4
D12/MISO: ICSP.1 J3.5 U1.18 | length 93.6
  Bottom Layer w0.2: J3.5 29.9,50.16 29.9,40.499 33.081,37.318 39.431,37.318 49.464,27.285 64.501,27.285 64.806,26.98 64.806,25.532 64.501,25.228 63.434,25.228 62.723,24.516 62.723,22.942 62.977,22.688 65.268,22.688 ; U1.18 39.883,12.883 41.717,12.883 47.356,18.522 47.356,19.817 47.61,20.071 62.651,20.071 65.268,22.688 ; ICSP.1 65.268,22.688
D13/SCK: ICSP.3 J3.6 RP5.2 U1.19 | length 98.2
  Top Layer w0.2: v1(59.345,30.358) 60.023,30.358 RP5.2 v1(60.15,27.895)
  Bottom Layer w0.2: J3.6 29.46,52.26 32.243,52.26 32.599,51.904 32.599,47.427 35.444,44.582 54.671,44.582 57.034,42.22 57.034,32.67 v1(59.345,30.358) ; U1.19 46.005,16.465 64.349,16.465 67.956,20.071 67.956,25.177 67.371,25.761 66.3,25.761 ICSP.3 64.975,27.585 60.46,27.585 v1(60.15,27.895)
GND: "GREEN PWR ON.1" "LED YELLOW SCL.1" "RES 2.1" C1.2 C2.2 C3.2 C4.2 C6.2 C7.2 C8.2 C9.2 C10.2 C11.2 CAP1.2 CAP2.2 ICSP2.6 ICSP.6 J1.4 J1.Shell J3.7 J5.1 J5.3 L1.1 PC1.2 PC2.2 POWER.6 POWER.7 RP3.1 SW.3 U1.8 U1.22 U2.3 U2.28 U2.33 U3.2 U4.1 U6CC.4 | length 387.2
  Top Layer w0.4: U2.3 U2.33@18.45,30.55
  Top Layer w0.5: C1.2 8.9,22.738 11.644,25.482 v1(11.644,26.447) ; U2.28 U2.33@17.85,32.25 ; v1(18.1,32) v1(18.1,33.1) ; U6CC.4 26.125,19.875 ; v1(19.2,32) v1(19.2,33.1) ; v1(20.3,30.9) v1(20.3,32) v1(20.3,33.1) ; C11.2 v1(22.85,28.35) v1(23.864,27.336) ; J3.7 28.45,48.81 28.45,46.2 ; C4.2 26,40.941 26,44.537 26.315,44.852 28.45,44.852 ; C4.2@26.075,41.016 27.006,41.016 27.475,41.484 27.475,42.981 27.994,43.5 28.45,43.5 28.45,44.852 ; RP3.1 29.85,39.782 30.465,39.782 ; v1(31.151,30.177) 31.575,29.753 31.575,28.625 C10.2 ; v1(31.761,31.451) 31.761,39.147 31.126,39.782 30.465,39.782 ; v1(34.853,28.891) v1(34.853,28.212) 35.775,28.212 36,28.437 36,28.52 36,27.183 39.863,23.32 39.863,18.243 40.117,17.989 42.149,17.989 42.454,18.293 42.454,19.817 42.886,20.249 44.951,20.249 ; v1(43.3,25.2) 44.689,23.811 44.689,23.644 ; CAP2.2 44.823,23.703 44.689,23.644 ; U1.8 44.951,20.249 ; U1.22 52.385,15.225 52.385,19.487 54.9,22.002 54.9,23.895 54.595,24.2 CAP1.2 ; v1(53.1,26) 53.193,25.907 53.193,25.032 54.025,24.2 CAP1.2 ; v1(54.1,28.288) CAP1.2 ; 60.05,38.1 60.05,38.836 v1(60.056,38.842) ; 28.45,44.852 28.45,46.2 ; 28.45,46.2 32.107,46.2 32.4,45.907 32.4,41.717 30.465,39.782 ; 44.689,23.644 44.08,23.644 44.08,21.12 44.951,20.249
  Top Layer w0.6: 30.7,24.5 32.275,24.5
  Top Layer w0.8: J1.Shell@2,30.06 2,32.12 ; v1(3.6,11.5) 4.8,10.3 v1(11.6,10.3) ; v1(4.9,33) 4.9,34.64 J1.4 2,32.12 ; J5.3 v1(11,1.8) ; v1(5.7,29.201) v1(7.3,29.201) ; v1(6.1,17.6) 6.45,17.95 6.45,19.25 7.65,19.25 v1(10.4,22) 10.4,24.407 11.143,25.15 11.7,25.15 C9.2 ; v1(7.7,30.5) 7.3,30.1 v1(7.3,29.201) ; J5.1 8.05,6.75 v1(11.6,10.3) ; C8.2 9.501,29.201 v1(7.3,29.201) ; C3.2 14.1,13.9 U4.1 9.6,12.3 v1(11.6,10.3) ; ICSP2.6 15.3,45.815 13.975,45.815 13.975,48.74 11.265,51.45 SW.3 7.45,51.45 6.615,50.615 L1.1 4.6,44.7 2,42.1 2,32.12 ; U2.33@17.85,32.25 v1(18.1,32) ; v1(18.1,30.9) U2.33@18.45,30.55 ; U3.2 26.55,15.05 26.7,14.9 C2.2 ; C4.2 26,40.941 C4.2@26.075,41.016 ; 32.275,24.5 32.275,23.045 29.105,19.875 26.125,19.875 28.9,17.1 28.9,14.7 29,14.6 27.9,13.5 C2.2 ; POWER.6 POWER.7 42.66,5.26 C6.2 48.64,11.24 U1.22 ; v1(11.6,10.3) 12.2,10.9 PC1.2 PC2.2 26.7,12.7 C2.2
  Bottom Layer w0.5: v1(11.644,26.447) 16.097,30.9 v1(18.1,30.9) v1(19.2,30.9) v1(20.3,30.9) v1(22.85,28.35) ; v1(18.1,33.1) v1(19.2,33.1) v1(20.3,33.1) ; v1(23.864,27.336) 23.929,27.4 24.997,27.4 25.597,26.8 33.441,26.8 v1(34.853,28.212) v1(34.853,28.891) 34.52,28.558 33.293,28.558 33,28.851 33,29.977 32.863,29.977 32.644,30.196 31.17,30.196 v1(31.151,30.177) ; v1(31.761,31.451) 33.005,30.206 ; v1(43.3,25.2) 44.1,26 v1(53.1,26) ; v1(54.1,28.288) 54.612,28.8 ICSP.6 60.056,32.504 v1(60.056,38.842)
  Bottom Layer w0.8: v1(3.6,11.5) 0.9,14.2 0.9,19.5 2.4,21 2.7,21 v1(6.1,17.6) ; v1(4.9,33) 4.4,32.5 4.4,30.5 v1(5.7,29.201) ; v1(7.3,29.201) 7.3,25.1 v1(10.4,22) ; v1(7.7,30.5) 7.75,30.45 13.589,30.45 14.289,31.15 14.911,31.15 15.161,30.9 v1(18.1,30.9) v1(19.2,30.9) v1(20.3,30.9) ; v1(11,1.8) 10.3,2.5 10.3,9 v1(11.6,10.3)
MISO2: ICSP2.1 U2.17 | length 13.7
  Top Layer w0.2: ICSP2.1 21.925,45.595 21.925,36.425 20.95,35.45 U2.17
MOSI2: ICSP2.4 U2.16 | length 21.1
  Top Layer w0.2: ICSP2.4 18.26,44.6 19.475,45.815 19.505,45.815 19.801,46.112 19.801,46.193 ccw(c19.601,46.194) 19.801,46.195 19.801,46.277 19.743,46.335 ccw(c19.601,46.194) 19.742,46.337 19.735,46.343 cw(c20.38,47.14) 21.228,47.716 ccw(c21.392,47.83) 21.277,47.666 21.365,47.605 22.4,46.57 22.225,46.395 22.225,36.301 21.725,35.801 U2.16
NetC5_2: C5.2 RP3.2 U2.13 | length 11
  Top Layer w0.3: U2.13 21.875,32.4 22.145,32.4 26,36.255 C5.2 27.5,39.8 RP3.2
NetC7_1: C7.1 U2.27 | length 23
  Top Layer w0.3: v1(15.454,32.543) 15.661,32.75 U2.27 ; v1(32.325,29.596) 32.379,29.596 33.2,28.775 C7.1
  Bottom Layer w0.3: v1(15.454,32.543) 29.983,32.543 30.262,32.263 30.262,29.469 30.643,29.088 31.163,29.088 31.633,29.558 32.287,29.558 v1(32.325,29.596)
NetC9_1: "OSC1 16MHZ.2" C9.1 RQ1.2 U2.1 | length 9.9
  Top Layer w0.3: 14.15,23.6 16.675,26.125 16.675,27.5 ; C9.1 15.5,27.5 16.675,27.5 ; U2.1 17.45,28.097 RQ1.2 16.675,27.5
NetC10_1: C10.1 L2.2 U1.20 | length 37.1
  Top Layer w0.3: L2.2 25.274,28.026 25.662,27.638 25.862,27.638 v1(25.9,27.6) 25.274,26.974 25.274,26.329 27.341,24.262 28.713,24.262 29.094,24.643 29.094,24.847 29.551,25.304 34.275,25.304 36.942,22.637 36.942,18.098 U1.20 ; v1(28.992,29.596) 29,29.588 C10.1
  Bottom Layer w0.3: v1(25.9,27.6) 25.9,28.596 26.9,29.596 v1(28.992,29.596)
NetC11_1: "OSC1 16MHZ.1" C11.1 RQ1.1 U2.2 | length 9.6
  Top Layer w0.3: U2.2 17.95,28.52 18.953,27.517 RQ1.1 19.053,27.4 C11.1 23.65,25.15 23.65,23.6
NetD3_2: D3.2 J5.2 | length 18.6
  Top Layer w0.8: J5.2 4.75,4.1 12.706,4.1 12.995,4.389 15.497,4.389 15.965,3.921 15.965,1.969 16.434,1.5 D3.2
NetF_1: F.1 J1.1 | length 9.6
  Top Layer w0.5: F.1 2.8,27.925 4.075,29.201 4.075,30.375 6.4,32.7 6.4,34.52 J1.1
"NetGREEN PWR ON_2": "GREEN PWR ON.2" RP4.1 | length 31.3
  Top Layer w0.3: RP4.1 29.85,42.443 29.9,42.444 30.239,42.449 v1(30.75,42.449) ; v1(54.201,42.449) 58.55,38.1
  Bottom Layer w0.3: v1(30.75,42.449) v1(54.201,42.449)
NetJ1_2: J1.2 RD-.1 Z2.2 | length 8.3
  Top Layer w0.3: J1.2 9.58,40.2 RD-.1 11.6,41.74 Z2.2
NetJ1_3: J1.3 RD+.1 Z1.2 | length 10.8
  Top Layer w0.3: J1.3 6.25,35.79 7.108,35.79 7.698,35.2 RD+.1 11.38,34.88 Z1.2
NetL1_2: L1.2 Z1.1 Z2.1 | length 15.9
  Top Layer w0.3: L1.2 10.16,44.7 Z2.1 13.5,41.36 v1(13.5,40.8) ; Z1.1 v1(12.9,33.679)
  Bottom Layer w0.3: v1(12.9,33.679) 13.375,34.154 13.375,40.675 v1(13.5,40.8)
"NetLED YELLOW SCL_2": "LED YELLOW SCL.2" RP5.1 | length 41.5
  Top Layer w0.3: 29.95,43.5 30.2,43.25 30.371,43.25 30.376,43.246 31.27,43.246 31.6,43.576 31.6,44.211 31.411,44.4 31.411,45.089 v1(31.4,45.1) ; v1(58.65,30.358) RP5.1
  Bottom Layer w0.3: v1(31.4,45.1) 31.4,45.09 30.25,43.94 30.25,41.439 33.228,38.461 50.547,38.461 v1(58.65,30.358)
NetQ_1: "RES 3.1" Q.1 | length 33.7
  Top Layer w0.3: v1(5.6,23.5) 5.6,23.85 Q.1 ; 30.9,26.3 32.146,26.3 32.246,26.2 v1(32.3,26.2)
  Bottom Layer w0.3: v1(5.6,23.5) 8.4,20.7 22.248,20.7 27.248,25.7 31.8,25.7 v1(32.3,26.2)
NetRD+_2: RD+.2 U2.29 | length 6.3
  Top Layer w0.3: RD+.2 14.525,33.375 14.525,31.926 14.701,31.75 U2.29
NetRD-_2: RD-.2 U2.30 | length 19.8
  Top Layer w0.3: v1(9.58,38.8) 10.405,39.625 12.029,39.625 12.175,39.771 12.175,40.2 RD-.2 ; v1(12.2,31.2) 12.25,31.25 U2.30
  Bottom Layer w0.3: v1(9.58,38.8) 8.5,37.72 8.5,31.7 9,31.2 v1(12.2,31.2)
"NetRES 1_1": "RES 1.1" "RES 2.2" U6CC.3 | length 16.4
  Top Layer w0.3: U6CC.3 25.175,19.225 v1(26.3,18.1) ; v1(28.6,22.1) 29.5,23 29.7,23 29.7,24.5
  Bottom Layer w0.3: v1(26.3,18.1) 28.9,20.7 28.9,21.9 28.8,21.9 v1(28.6,22.1)
"NetRES 3_2": "RES 3.2" U6CC.1 | length 16.3
  Top Layer w0.3: U6CC.1 21.225,17.925 22,18.7 24.6,18.7 v1(24.8,18.5) ; v1(28.525,24.8) 28.525,25.425 29.4,26.3
  Bottom Layer w0.3: v1(24.8,18.5) 28.1,21.8 28.1,24.2 28.525,24.625 v1(28.525,24.8)
NetRP1_1: "TX YELLOW.2" RP1.1 | length 2.6
  Top Layer w0.3: 29.65,33.3 29.65,34.473 29.8,34.623 RP1.1
NetRP2_1: "RX YELLOW.2" RP2.1 | length 6.8
  Top Layer w0.3: 29.65,31.6 30.44,32.39 30.44,36.5 29.85,37.089 RP2.1
"NetRX YELLOW_1": "RX YELLOW.1" U2.10 | length 6.8
  Top Layer w0.3: U2.10 27.3,30.75 28.15,31.6
"NetTX YELLOW_1": "TX YELLOW.1" U2.11 | length 7.7
  Top Layer w0.3: U2.11 23.875,31.25 26.325,33.7 27.961,33.7 27.961,33.489 28.15,33.3
PB4: P1.1 U2.18 | length 4.5
  Top Layer w0.2: U2.18 20.45,38.91 P1.1
PB5: P1.3 U2.19 | length 8
  Top Layer w0.2: U2.19 19.95,38.06 19.475,38.535 19.475,41.1 19.598,41.223 20.223,41.223 P1.3
PB6: P1.2 U2.20 | length 5.8
  Top Layer w0.2: v1(17.85,37) 17.85,38.85 P1.2 ; U2.20 v1(19.45,36.6)
  Bottom Layer w0.2: v1(17.85,37) 19.05,37 v1(19.45,36.6)
PB7: P1.4 U2.21 | length 7.4
  Top Layer w0.2: P1.4 18.985,40.475 18.985,34.56 U2.21
RESET: C5.1 D1.1 ICSP.5 POWER.3 R-SW.1 SW.1 U1.1 | length 143
  Top Layer w0.2: SW.1 11.975,46.95 D1.1 12.1,48 v1(12.7,48.6) ; R-SW.1 13.612,38.5 13.919,38.807 v1(14,38.807) 14,39.4 14.168,39.568 14.553,39.568 v1(14.61,39.625) ; v1(23.5,35.5) 23.2,35.8 C5.1 23.2,37.293 23.353,37.14 v1(24.801,37.14) ; v1(31.329,20.198) 31.811,19.716 31.811,2.289 POWER.3 33.85,2.95 33.85,5.786 33.93,5.867 33.93,7.2 35.77,7.2 v1(36.47,6.5) ; U1.1 66.133,19.1 v1(66.883,18.35) 66.883,22.854 67.325,23.295 67.325,28.217 66.883,28.217 ICSP.5
  Bottom Layer w0.2: v1(12.7,48.6) 13.95,47.35 13.95,40.411 13.725,40.186 13.725,39.082 v1(14,38.807) ; v1(14.61,39.625) 15.628,38.607 16.293,38.607 17.4,37.5 17.4,36.814 18.714,35.5 v1(23.5,35.5) ; v1(24.801,37.14) 28.268,33.673 32.207,33.673 35.357,30.523 35.357,29.862 35.686,29.534 35.686,29.505 36.136,29.055 36.136,28.217 31.329,23.41 v1(31.329,20.198) ; v1(36.47,6.5) 62.024,6.5 66.474,10.95 66.474,17.941 v1(66.883,18.35)
RESET-2: D2.1 ICSP2.5 R-SW2.1 U2.24 | length 67.3
  Top Layer w0.2: R-SW2.1 v1(14,37) 14.975,37 U2.24 v1(17.45,35.642) ; v1(33.742,29.8) 38.187,29.8 v1(41.184,26.802) ; D2.1 59.345,25.075 59.345,25.482 v1(60.31,26.447)
  Bottom Layer w0.2: v1(14,37) 14.45,37.45 14.45,39.149 14.025,39.574 14.025,40.061 14.275,40.311 14.275,45.025 15.3,46.05 ICSP2.5 ; v1(17.45,35.642) 18.491,34.6 26.579,34.6 27.849,33.33 31.151,33.33 33.742,30.739 v1(33.742,29.8) ; v1(41.184,26.802) 59.888,26.802 60.244,26.447 v1(60.31,26.447)
RX: RESRX.1 U2.9 | length 39.2
  Top Layer w0.2: U2.9 29.739,30.25 30.116,30.627 33.971,30.627 34.334,30.264 45.464,30.264 49.3,34.1 57.65,34.1 RESRX.1
SCK2: ICSP2.3 U2.15 | length 20.6
  Top Layer w0.2: ICSP2.3 19.165,48.465 21.635,48.465 21.7,48.4 21.7,47.936 22.7,46.936 22.7,41.708 22.525,41.533 22.525,33.851 22.124,33.45 21.725,33.45 U2.15
TX: RESTX.1 U2.8 | length 46.7
  Top Layer w0.2: U2.8 23.029,29.475 23.455,29.901 27.417,29.901 28.255,29.063 28.255,27.437 28.56,27.133 33.589,27.133 33.894,27.437 33.894,29.088 34.275,29.469 36.561,29.469 39.762,26.269 43.572,26.269 50.861,33.559 58.65,33.559 RESTX.1
VIN: "RES 1.2" D3.1 PC1.1 POWER.8 U4.3 | length 78.1
  Top Layer w0.5: v1(11.35,19.454) 13.246,21.35 29.307,21.35 30.45,22.493 30.45,23
  Top Layer w0.8: U4.3 10.554,19.454 v1(11.35,19.454) ; v1(12.9,7.2) 16,7.2 PC1.1 19.9,3.3 23.1,3.3 23.8,2.6 v1(23.8,1.4) 20.901,1.4 D3.1 ; 30.45,23 30.7,23 ; v1(44,4.5) 45.2,3.3 POWER.8
  Bottom Layer w0.8: v1(11.35,19.454) 11.35,18.85 12.9,17.3 v1(12.9,7.2) ; v1(23.8,1.4) 23.9,1.4 27,4.5 v1(44,4.5)
VUSB: F.2 Q.3 U2.31 | length 18.4
  Top Layer w0.5: F.2 5.625,25.425 5.625,27.3 Q.3 8.1,27.6 v1(10,27.6) ; v1(14.6,30.4) 14.65,30.35 14.675,30.35 15.075,30.75 U2.31
  Bottom Layer w0.5: v1(10,27.6) 11.8,27.6 v1(14.6,30.4)
pads on no net: POWER.1 SW.2 SW.4 U2.5 U2.6 U2.7 U2.12 U2.14 U2.22 U2.23 U2.25 U2.26 U3.4 U6CC.5 U6CC.6 U6CC.7
copper on no net: | length 4.5
  Top Layer w0.4: 1.1,46.95 1.1,51.45

## Polygon pours and split planes (outlines as drawn)
no net on Bottom Layer "NONET_L02_P001" (solid, pour order 1): 0.024,53.021 64.767,53.021 64.814,53.069 64.895,52.988 64.895,39.749 68.495,36.149 68.458,36.112 68.458,4.623 64.822,0.987 64.822,-0.032 0.032,-0.032 0,0
no net on Top Layer "NONET_L01_P000" (solid, pour order 0): 0.024,53.021 64.767,53.021 64.814,53.069 64.895,52.988 64.895,39.749 68.495,36.149 68.458,36.112 68.458,4.712 64.822,1.076 64.822,-0.032 0.032,-0.032 0,0

## Silkscreen, mask and mechanical layers (free items; w line width, h text height)
Top Overlay:
  drawing of 32 lines, arcs and shapes, not listed
  text "1" at 60.546,48.754 h1 r90
  text "0" at 63.246,48.654 h1 r90
  text "2" at 58.246,48.554 h1 r90
  text "7" at 45.846,48.454 h1 r90
  text "5" at 50.646,48.454 h1 r90
  text "3" at 55.446,48.454 h1 r90
  text "4" at 52.946,48.354 h1 r90
  text "8" at 42.046,48.254 h1 r90
  text "6" at 48.046,48.254 h1 r90
  text "9" at 39.446,48.154 h1 r90
  text "12" at 31.846,48.054 h1 r90
  text "11" at 34.346,48.054 h1 r90
  text "13" at 29.246,47.954 h1 r90
  text "10" at 36.946,47.954 h1 r90
  text "←" at 59.754,47.8 h2 r270
  text "→" at 62.411,47.678 h2 r270
  text "~" at 51.133,47.3 h1 r90
  text "~" at 56.133,47.3 h1 r90
  text "~" at 48.733,47.2 h1 r90
  text "~" at 39.933,46.9 h1 r90
  text "GND" at 26.3,46.8 h1 r90
  text "~" at 37.533,46.8 h1 r90
  text "~" at 35.133,46.7 h1 r90
  text "AREF" at 24.1,45.8 h1 r90
  text "RX" at 62.1,45.5 h0.8
  text "TX" at 59.6,45.4 h0.8
  text "DIGITAL(PWM ~ )" at 45,45.333 h1.3
  text "L" at 25.7,43.2 h1
  text "ON" at 61.854,37.554 h1.2
  text "TX" at 24.7,32.9 h1
  text "RX" at 24.8,31.2 h1
  text "ANALOG IN" at 55.83,7.47 h1
  text "POWER" at 41.45,6.45 h1
  text "A0" at 50.45,3.75 h1 r90
  text "A2" at 55.55,3.75 h1 r90
  text "A3" at 58.15,3.75 h1 r90
  text "A4" at 60.75,3.75 h1 r90
  text "A1" at 52.95,3.65 h1 r90
  text "A5" at 63.25,3.65 h1 r90
  text "Vin" at 45.7,3.6 h0.8 r90
  text "3.3V" at 35.4,3.5 h0.8 r90
  text "RESET" at 32.9,3.4 h0.8 r90
  text "5V" at 38,3.4 h0.8 r90
  text "GND" at 40.5,3.4 h0.8 r90
  text "GND" at 43,3.4 h0.8 r90
  text "IOREF" at 30.3,3.3 h0.8 r90
Bottom Overlay:
  drawing of 98 lines, arcs and shapes, not listed
  text "SCL" at 17.3,49.2 h0.8
  text "SDA" at 19.9,49.2 h0.8
  text "BOARD MODEL" at 58.65,47.75 h1.3
  text "UNO Rev3" at 58.65,45.75 h1.3
  text "OPEN-SOURCE ELECTRONICS" at 59.346,43.254 h1.3
  text "PROTOTYPING PLATFORM" at 59.05,40.85 h1.3
  text "WWW.ARDUINO.CC" at 53.446,37.454 h1.3
  text "BY  DRIDI ACHREF" at 57.393,25.8 h3
Mechanical 1:
  the board outline again, w0.254